# Altium PCB Austindetz_CM4_Board_v1.0.PcbDoc (part 5 of 6) (continued)
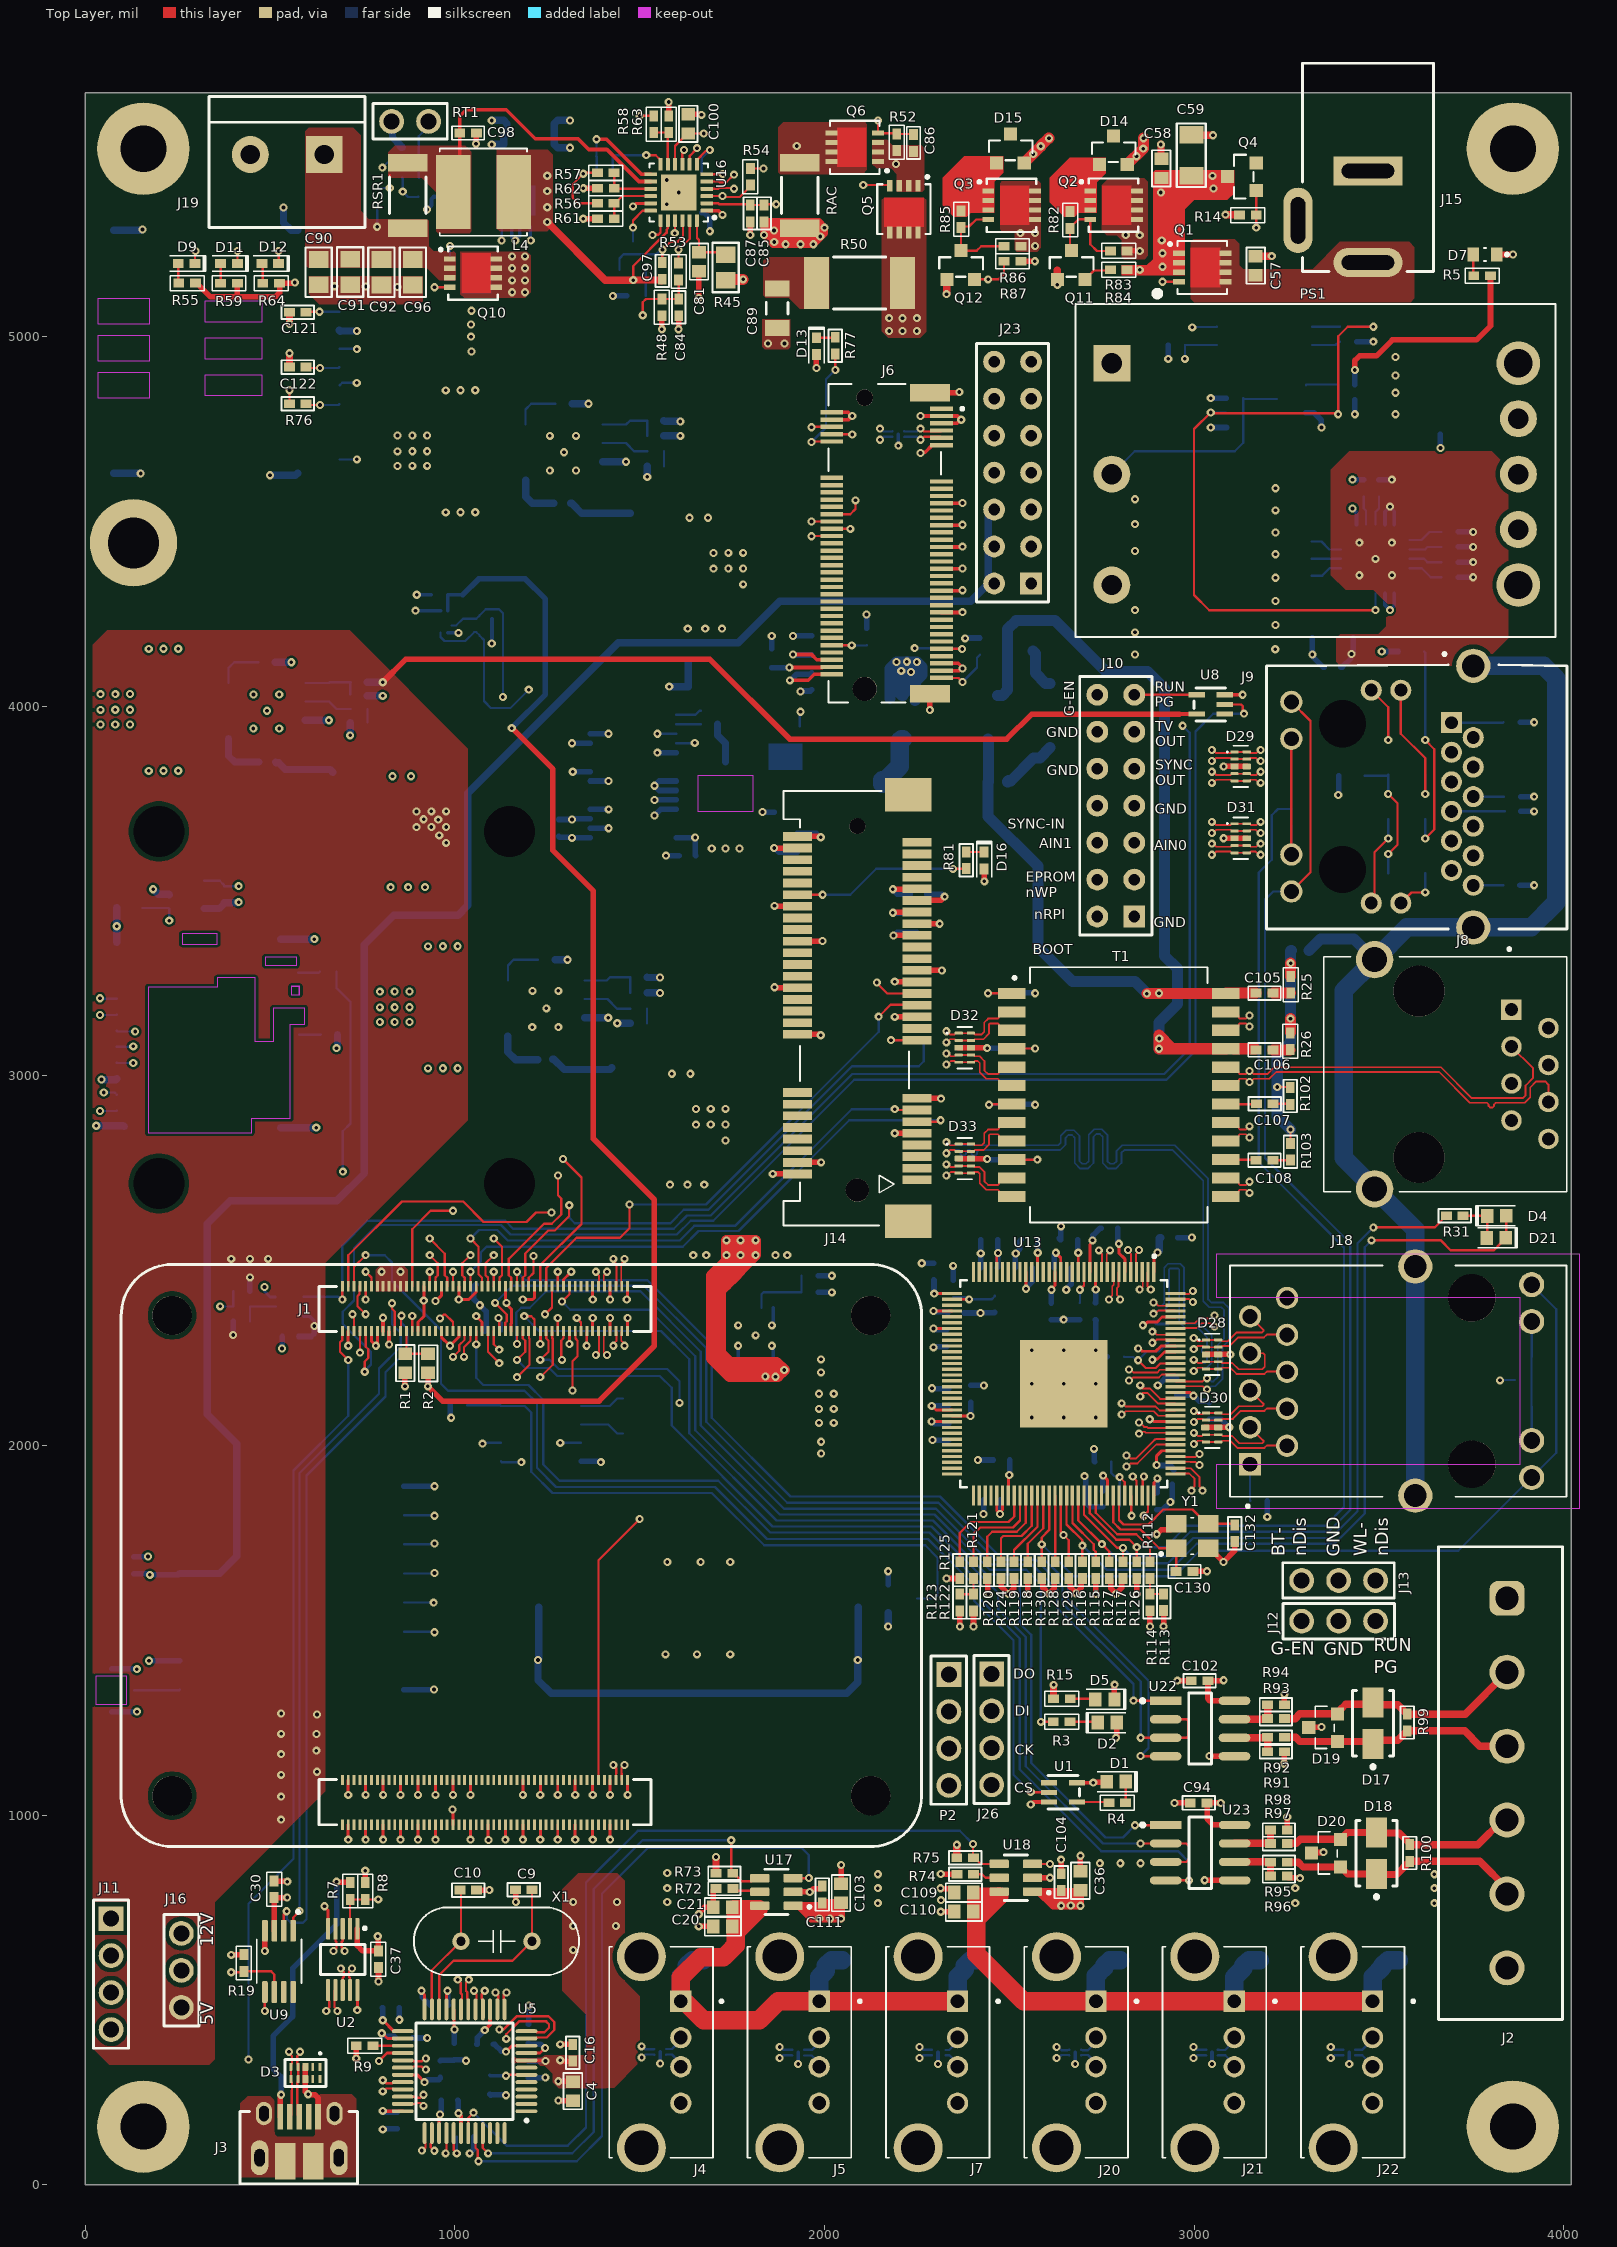
[diagram p0: Top Layer view]
## Nets (pads, with @x,y where several pads share a name; then routed paths per layer and width w, separated by ;. In a path a pad name is that pad's centre, name@x,y a point inside that pad or via, vN(x,y) a via of type N, cw(c..) or ccw(c..) an arc to the next point about the centre after c; other vN are vias at no path point) (continued)
TRD0_3_N: D31.2 D31.9 J9.9 U13.105 | length 2989.8
  Top Layer w4.88: v1(2850.65,2062.18) 2852.74,2062.18 2864.65,2050.27 2871.45,2050.27 2874.25,2047.46 2947.88,2047.46 U13.105@2949.31,2048.9 ; v1(3047.91,3657.36) 3050.77,3657.36 3059.33,3665.92 3085.77,3665.92 3098.96,3665.92 3102.36,3662.51 D31.2@3109.55,3662.51 D31.9@3142.42,3662.51 3149.61,3662.51 3153.01,3665.92 3166.72,3665.92 3175.28,3657.36 v1(3179.91,3657.36)
  03_SIg1 w4.44: v1(3179.91,3657.36) 3182.51,3657.36 3191.29,3666.14 3225.68,3666.14 3254.53,3694.98 3627.32,3694.98 3657.73,3664.57 3678.91,3664.57 3696.11,3647.37 J9.9@3696.11,3635.77
  04_SIg2 w4.44: v1(2850.65,2062.18) 2853.25,2062.18 2864.26,2051.16 2870.86,2051.16 2877.31,2044.71 2894.89,2044.71 2951.16,2100.97 2951.16,2804.98 2951.16,2833.77 2943.83,2841.1 2915.2,2841.1 2900.58,2855.72 2900.58,2875.8 2915.2,2890.42 2951.16,2890.42 2958.49,2897.75 2958.49,2907.53 2951.16,2914.86 2912.02,2914.86 2897.41,2929.48 2897.41,2949.56 2912.02,2964.18 2943.83,2964.18 2951.16,2971.51 2951.16,3014.26 2951.16,3719.82 2970.76,3739.42 3080.06,3739.42 3092.35,3727.14 3092.35,3676.03 3082.46,3666.14 3059.29,3666.14 3050.51,3657.36 v1(3047.91,3657.36)
TRD0_3_P: D31.1 D31.10 J9.8 U13.104 | length 2991.6
  Top Layer w4.88: v1(2850.65,2032.18) 2855.28,2032.18 2860.49,2037.39 2866.11,2037.39 2868.92,2034.58 2947.88,2034.58 U13.104@2949.31,2033.15 ; v1(3047.91,3687.36) 3050.77,3687.36 3059.33,3678.8 3091.11,3678.8 3098.96,3678.8 3102.36,3682.2 D31.1@3109.55,3682.2 D31.10@3142.42,3682.2 3149.61,3682.2 3153.01,3678.8 3168.49,3678.8 3177.05,3687.36 v1(3179.91,3687.36)
  03_SIg1 w4.44: v1(3179.91,3687.36) 3182.51,3687.36 3191.29,3678.58 3220.53,3678.58 3249.37,3707.42 3632.47,3707.42 3662.89,3677.01 3709.59,3677.01 3719.15,3667.45 3747.08,3667.45 J9.8@3755.17,3675.54
  04_SIg2 w4.44: v1(2850.65,2032.18) 2855.4,2032.18 2861.95,2038.72 2865.71,2038.72 2872.16,2032.27 2900.05,2032.27 2963.6,2095.82 2963.6,2804.98 2963.6,2838.92 2948.98,2853.54 2920.36,2853.54 2913.02,2860.87 2913.02,2870.65 2920.36,2877.98 2956.31,2877.98 2970.93,2892.6 2970.93,2912.68 2956.31,2927.3 2917.18,2927.3 2909.85,2934.63 2909.85,2944.41 2917.18,2951.74 2948.98,2951.74 2963.6,2966.36 2963.6,3014.26 2963.6,3714.67 2975.91,3726.98 3074.91,3726.98 3079.91,3721.98 3079.91,3681.18 3077.31,3678.58 3059.29,3678.58 3050.51,3687.36 v1(3047.91,3687.36)
TRD1_0_N: D32.2 D32.9 T1.3 U13.108 | length 2016.2
  Top Layer w4.88: v1(2329.6,3090.73) 2331.03,3090.73 2339.6,3099.29 2342.24,3099.29 2352.57,3099.29 2355.97,3095.89 D32.2@2363.16,3095.89 D32.9@2396.03,3095.89 2403.22,3095.89 2406.62,3099.29 2419.81,3099.29 2430.24,3099.29 2444.91,3113.96 2444.91,3139.15 2447.77,3142.01 2469.18,3142.01 2472.04,3139.15 2472.04,3135.97 2484.56,3123.45 T1.3@2507,3123.45 ; v1(2803.91,2113.98) 2806.77,2113.98 2815.33,2105.42 2895.76,2105.42 2906.48,2094.71 2947.88,2094.71 U13.108@2949.31,2096.14
  03_SIg1 w4.44: v1(2329.6,3090.73) 2326.99,3090.73 2318.21,3099.51 2312.05,3099.51 2307.55,3099.51 2303.22,3095.18 2303.22,3088.93 2298.89,3084.59 2293.11,3084.59 2288.78,3088.93 2288.78,3095.18 2284.45,3099.51 2278.67,3099.51 2274.34,3095.18 2274.34,3088.93 2270.01,3084.59 2264.23,3084.59 2259.9,3088.93 2259.9,3095.18 2255.57,3099.51 2238.91,3099.51 2235.03,3099.51 2223.71,3088.19 2223.71,2478.78 2254.91,2447.58 2254.91,2264.98 2302.62,2217.27 2595.22,2217.27 2614.03,2198.45 2614.03,2150.86 2637.59,2127.3 2752.59,2127.3 2774.69,2105.2 2792.53,2105.2 2801.31,2113.98 v1(2803.91,2113.98)
TRD1_0_P: D32.1 D32.10 T1.2 U13.107 | length 2018
  Top Layer w4.88: v1(2329.6,3120.73) 2331.03,3120.73 2339.6,3112.17 2347.57,3112.17 2352.57,3112.17 2355.97,3115.57 D32.1@2363.16,3115.57 D32.10@2396.03,3115.57 2403.22,3115.57 2406.62,3112.17 2414.47,3112.17 2424.91,3112.17 2432.03,3119.29 2432.03,3144.49 2442.43,3154.89 2469.18,3154.89 2472.04,3157.75 2472.04,3160.93 2484.56,3173.45 T1.2@2507,3173.45 ; v1(2803.91,2083.98) 2806.77,2083.98 2815.33,2092.54 2890.42,2092.54 2902.57,2080.4 U13.107@2949.31,2080.4
  03_SIg1 w4.44: v1(2329.6,3120.73) 2326.99,3120.73 2318.21,3111.95 2229.88,3111.95 2211.27,3093.34 2211.27,2473.63 2242.47,2442.42 2242.47,2259.83 2297.47,2204.83 2590.06,2204.83 2601.59,2193.3 2601.59,2145.71 2632.44,2114.86 2747.44,2114.86 2769.54,2092.76 2792.53,2092.76 2801.31,2083.98 v1(2803.91,2083.98)
TRD1_1_N: D32.5 D32.6 T1.6 U13.110 | length 2008.4
  Top Layer w4.88: v1(2329.6,3030.73) 2332.73,3030.73 2342.24,3040.24 2352.57,3040.24 2355.97,3036.83 D32.5@2363.16,3036.83 D32.6@2396.03,3036.83 2403.22,3036.83 2406.62,3040.24 2414.47,3040.24 2419.81,3034.9 2419.81,3009.3 2437.1,2992.01 2469.18,2992.01 2472.04,2989.15 2472.04,2985.97 2484.56,2973.45 T1.6@2507,2973.45 ; v1(2854.31,2162.83) 2854.31,2160.74 2860.42,2154.64 2879.44,2154.64 2907.88,2126.2 2947.88,2126.2 U13.110@2949.31,2127.64
  03_SIg1 w4.44: v1(2329.6,3030.73) 2326.99,3030.73 2318.21,3039.51 2276.03,3039.51 2269.91,3033.39 2269.91,3027.58 2269.91,3020.63 2274.24,3016.3 2280.78,3016.3 2285.11,3011.96 2285.11,3006.19 2280.78,3001.86 2274.24,3001.86 2269.91,2997.52 2269.91,2991.75 2274.24,2987.42 2281.11,2987.42 2285.44,2983.08 2285.44,2977.31 2281.11,2972.98 2274.24,2972.98 2269.91,2968.64 2269.91,2951.98 2269.91,2727.98 2322.35,2675.54 2322.35,2652.52 2322.35,2604.62 2307.73,2590 2278.44,2590 2271.11,2582.67 2271.11,2572.89 2278.44,2565.56 2307.73,2565.56 2322.35,2550.94 2322.35,2519.28 2322.35,2447.7 2354.91,2415.14 2354.91,2326.98 2366.07,2315.82 2369.47,2312.42 2413.97,2312.42 2428.59,2297.8 2428.59,2273.83 2435.92,2266.5 2445.7,2266.5 2453.03,2273.83 2453.03,2304.47 2467.65,2319.09 2487.73,2319.09 2502.35,2304.47 2502.35,2273.83 2509.68,2266.5 2519.46,2266.5 2526.79,2273.83 2526.79,2297.8 2541.41,2312.42 2554.85,2312.42 2590.06,2312.42 2614.03,2288.45 2614.03,2250.86 2647.62,2217.27 2731.01,2217.27 2794.23,2154.05 2842.93,2154.05 2851.71,2162.83 v1(2854.31,2162.83)
TRD1_1_P: D32.4 D32.7 T1.5 U13.109 | length 2008.4
  Top Layer w4.88: v1(2329.6,3060.73) 2334.23,3060.73 2341.84,3053.12 2352.57,3053.12 2355.97,3056.52 D32.4@2363.16,3056.52 D32.7@2396.03,3056.52 2403.22,3056.52 2406.62,3053.12 2419.81,3053.12 2432.69,3040.24 2432.69,3014.63 2442.43,3004.89 2469.18,3004.89 2472.04,3007.75 2472.04,3010.93 2484.56,3023.45 T1.5@2507,3023.45 ; v1(2854.31,2132.83) 2854.31,2135.65 2860.42,2141.76 2874.11,2141.76 2902.54,2113.32 2947.88,2113.32 U13.109@2949.31,2111.89
  03_SIg1 w4.44: v1(2329.6,3060.73) 2326.99,3060.73 2318.21,3051.95 2270.88,3051.95 2257.47,3038.54 2257.47,2722.83 2309.91,2670.39 2309.91,2652.52 2309.91,2609.77 2302.58,2602.44 2273.29,2602.44 2258.67,2587.82 2258.67,2567.74 2273.29,2553.12 2302.58,2553.12 2309.91,2545.79 2309.91,2519.28 2309.91,2442.54 2342.47,2409.98 2342.47,2321.83 2364.32,2299.98 2366.07,2299.98 2408.82,2299.98 2416.15,2292.65 2416.15,2268.68 2430.77,2254.06 2450.85,2254.06 2465.47,2268.68 2465.47,2299.32 2472.8,2306.65 2482.58,2306.65 2489.91,2299.32 2489.91,2268.68 2504.53,2254.06 2524.61,2254.06 2539.23,2268.68 2539.23,2292.65 2546.56,2299.98 2554.85,2299.98 2584.91,2299.98 2601.59,2283.3 2601.59,2245.71 2642.47,2204.83 2725.86,2204.83 2789.08,2141.61 2842.93,2141.61 2851.71,2132.83 v1(2854.31,2132.83)
TRD1_2_N: D33.2 D33.9 T1.9 U13.113 | length 2008.9
  Top Layer w4.88: v1(2329.6,2790.73) 2331.03,2790.73 2339.6,2799.29 2342.24,2799.29 2352.57,2799.29 2355.97,2795.89 D33.2@2363.16,2795.89 D33.9@2396.03,2795.89 2403.22,2795.89 2406.62,2799.29 2419.81,2799.29 2430.24,2799.29 2444.91,2813.96 2444.91,2839.15 2447.77,2842.01 2469.18,2842.01 2472.04,2839.15 2472.04,2835.97 2484.56,2823.45 T1.9@2507,2823.45 ; U13.113@2949.31,2174.88 2950.74,2173.45 3023.49,2173.45 3032.05,2182 v1(3034.91,2182)
  Bottom Layer w4.88: v1(2329.6,2790.73) 2332.45,2790.73 2341.01,2799.29 2346.48,2799.29 2363.8,2799.29 2368.26,2794.83 2368.26,2788.78 2372.72,2784.31 2378.68,2784.31 2383.14,2788.78 2383.14,2794.83 2387.6,2799.29 2393.56,2799.29 2398.02,2794.83 2398.02,2788.78 2402.48,2784.31 2408.44,2784.31 2412.9,2788.78 2412.9,2794.83 2417.36,2799.29 2423.19,2799.29 2624.66,2799.29 2637.18,2799.29 2652.19,2814.3 2652.19,2832.67 2659.66,2840.13 2669.61,2840.13 2677.07,2832.67 2677.07,2764.3 2692.08,2749.29 2712.7,2749.29 2727.71,2764.3 2727.71,2835.29 2735.18,2842.75 2745.13,2842.75 2752.59,2835.29 2752.59,2764.3 2767.6,2749.29 2788.22,2749.29 2803.23,2764.3 2803.23,2791.83 2810.7,2799.29 2816.91,2799.29 2942.39,2799.29 3024.91,2716.77 3024.91,2389.98 3040.83,2374.06 3073.83,2374.06 3080.8,2367.09 3080.8,2289.09 3063.68,2271.96 3063.68,2184.86 3052.26,2173.44 3046.33,2173.44 3037.77,2182 v1(3034.91,2182)
TRD1_2_P: D33.1 D33.10 T1.8 U13.112 | length 2012.5
  Top Layer w4.88: v1(2329.6,2820.73) 2331.03,2820.73 2339.6,2812.17 2347.57,2812.17 2352.57,2812.17 2355.97,2815.57 D33.1@2363.16,2815.57 D33.10@2396.03,2815.57 2403.22,2815.57 2406.62,2812.17 2414.47,2812.17 2424.91,2812.17 2432.03,2819.29 2432.03,2844.49 2442.43,2854.89 2469.18,2854.89 2472.04,2857.75 2472.04,2860.93 2484.56,2873.45 T1.8@2507,2873.45 ; U13.112@2949.31,2159.14 2950.74,2160.57 3023.49,2160.57 3032.05,2152 v1(3034.91,2152)
  Bottom Layer w4.88: v1(2329.6,2820.73) 2332.45,2820.73 2341.01,2812.17 2624.66,2812.17 2631.85,2812.17 2639.31,2819.64 2639.31,2838.01 2654.32,2853.01 2674.94,2853.01 2689.95,2838.01 2689.95,2769.64 2697.42,2762.17 2707.37,2762.17 2714.83,2769.64 2714.83,2840.62 2729.84,2855.63 2750.46,2855.63 2765.47,2840.62 2765.47,2769.64 2772.94,2762.17 2782.89,2762.17 2790.35,2769.64 2790.35,2797.16 2805.36,2812.17 2816.91,2812.17 2947.72,2812.17 3037.79,2722.1 3037.79,2395.32 3046.16,2386.94 3079.16,2386.94 3093.68,2372.43 3093.68,2283.76 3076.56,2266.63 3076.56,2179.53 3057.59,2160.56 3046.33,2160.56 3037.77,2152 v1(3034.91,2152)
TRD1_3_N: D33.4 D33.7 T1.11 U13.115 | length 2006.8
  Top Layer w4.88: v1(2329.6,2760.73) 2334.23,2760.73 2341.84,2753.12 2352.57,2753.12 2355.97,2756.52 D33.4@2363.16,2756.52 D33.7@2396.03,2756.52 2403.22,2756.52 2406.62,2753.12 2419.81,2753.12 2432.69,2740.24 2432.69,2714.63 2442.43,2704.89 2469.18,2704.89 2472.04,2707.75 2472.04,2710.93 2484.56,2723.45 T1.11@2507,2723.45 ; v1(2823.8,2205.71) 2828.44,2205.71 2837,2197.15 2899.68,2197.15 2907.47,2204.94 2947.88,2204.94 U13.115@2949.31,2206.38
  03_SIg1 w4.44: v1(2329.6,2760.73) 2332.2,2760.73 2340.98,2751.95 2372.47,2751.95 2389.91,2734.51 2389.91,2702.34 2389.91,2695.52 2397.24,2688.18 2560.47,2688.18 2575.09,2673.56 2575.09,2653.48 2560.47,2638.86 2381.86,2638.86 2374.52,2631.53 2374.52,2621.76 2381.86,2614.42 2560.47,2614.42 2575.09,2599.8 2575.09,2579.72 2560.47,2565.1 2397.24,2565.1 2389.91,2557.77 2389.91,2515.03 2389.91,2479.98 2483.67,2386.22 2681.27,2386.22 2779.91,2287.58 2779.91,2209.98 2792.96,2196.93 2812.42,2196.93 2821.2,2205.71 v1(2823.8,2205.71)
TRD1_3_P: D33.5 D33.6 T1.12 U13.114 | length 2007.5
  Top Layer w4.88: v1(2329.6,2730.73) 2332.73,2730.73 2342.24,2740.24 2352.57,2740.24 2355.97,2736.83 D33.5@2363.16,2736.83 D33.6@2396.03,2736.83 2403.22,2736.83 2406.62,2740.24 2414.47,2740.24 2419.81,2734.9 2419.81,2709.3 2437.1,2692.01 2469.18,2692.01 2472.04,2689.15 2472.04,2685.97 2484.56,2673.45 T1.12@2507,2673.45 ; v1(2823.8,2175.71) 2826.66,2175.71 2835.22,2184.27 2905.01,2184.27 2912.8,2192.06 2947.88,2192.06 U13.114@2949.31,2190.63
  03_SIg1 w4.44: v1(2329.6,2730.73) 2332.2,2730.73 2340.98,2739.51 2367.32,2739.51 2377.47,2729.36 2377.47,2702.34 2377.47,2690.36 2392.09,2675.74 2555.32,2675.74 2562.65,2668.41 2562.65,2658.64 2555.32,2651.3 2376.7,2651.3 2362.08,2636.68 2362.08,2616.6 2376.7,2601.98 2555.32,2601.98 2562.65,2594.65 2562.65,2584.88 2555.32,2577.54 2392.09,2577.54 2377.47,2562.92 2377.47,2515.03 2377.47,2474.83 2478.52,2373.78 2676.11,2373.78 2767.47,2282.42 2767.47,2204.83 2787.81,2184.49 2812.42,2184.49 2821.2,2175.71 v1(2823.8,2175.71)
TRD2_0_N: D28.2 D28.9 J18.9 U13.128 | length 952.6
  Top Layer w4.88: U13.128@2949.31,2411.1 2950.74,2409.67 2984.91,2409.67 2993.48,2418.24 v1(2996.58,2418.24) ; v1(2998.91,2260.84) 3001.35,2260.84 3009.91,2269.4 3011.33,2269.4 3021.66,2269.4 3025.06,2266 D28.2@3032.25,2266 D28.9@3065.12,2266 3072.3,2266 3075.71,2269.4 3095.99,2269.4 3119.08,2292.49 3189,2292.49 3196.64,2300.13 3250.69,2300.13 J18.9@3251.43,2299.38
  03_SIg1 w4.44: v1(2996.58,2418.24) 2999.2,2418.24 3007.96,2409.47 3017.4,2409.47 3023.47,2415.54 3023.47,2504.54 3033.36,2514.42 3148.46,2514.42 3158.35,2504.54 3158.35,2457.87 3148.46,2447.98 3124.91,2447.98 3116.91,2439.98 3116.91,2391.39 3101.5,2375.98 3046.91,2375.98 3032.35,2361.42 3032.35,2279.51 3022.46,2269.62 3010.29,2269.62 3001.51,2260.84 v1(2998.91,2260.84)
TRD2_0_P: D28.1 D28.10 J18.5 U13.127 | length 952.6
  Top Layer w4.88: U13.127@2949.31,2395.36 2950.74,2396.79 2984.91,2396.79 2993.46,2388.24 v1(2996.65,2388.24) ; v1(2998.91,2290.84) 3001.35,2290.84 3009.91,2282.28 3016.66,2282.28 3021.66,2282.28 3025.06,2285.68 D28.1@3032.25,2285.68 D28.10@3065.12,2285.68 3072.3,2285.68 3075.71,2282.28 3090.66,2282.28 3113.74,2305.37 3183.66,2305.37 3187.54,2309.24 3187.54,2313.28 J18.5@3151.43,2349.38
  03_SIg1 w4.44: v1(2996.65,2388.24) 2999.24,2388.24 3008.03,2397.03 3022.55,2397.03 3035.91,2410.39 3035.91,2499.38 3038.51,2501.98 3143.31,2501.98 3145.91,2499.38 3145.91,2463.02 3143.31,2460.42 3119.76,2460.42 3104.47,2445.14 3104.47,2396.54 3096.35,2388.42 3041.76,2388.42 3019.91,2366.58 3019.91,2355.98 3019.91,2339.32 3015.58,2334.99 2993.22,2334.99 2988.89,2330.66 2988.89,2324.88 2993.22,2320.55 3015.58,2320.55 3019.91,2316.22 3019.91,2313.04 3019.91,2284.66 3017.31,2282.06 3010.29,2282.06 3001.51,2290.84 v1(2998.91,2290.84)
TRD2_1_N: D28.5 D28.6 J18.8 U13.126 | length 886.4
  Top Layer w4.88: v1(2889.91,2386.73) 2894.54,2386.73 2903.1,2378.17 2947.88,2378.17 U13.126@2949.31,2379.61 ; v1(2998.91,2201.78) 3001.35,2201.78 3009.91,2210.34 3011.33,2210.34 3021.66,2210.34 3025.06,2206.94 D28.5@3032.25,2206.94 D28.6@3065.12,2206.94 ; D28.6@3072.3,2206.94 3075.71,2210.34 3097.99,2210.34 3114.84,2193.5 3190.01,2193.5 3196.64,2200.13 3250.69,2200.13 J18.8@3251.43,2199.38
  Bottom Layer w4.88: v1(2889.91,2386.73) 2892.77,2386.73 2901.33,2378.17 2912.1,2378.17 2918.91,2384.98 2918.91,2481.46 2929.31,2491.86 2962.39,2491.86 2972.79,2481.46 2972.79,2339.1 2981.91,2329.98 3016.05,2329.98 3047.79,2298.25 3047.79,2223.7 3034.43,2210.34 3010.33,2210.34 3001.77,2201.78 v1(2998.91,2201.78)
TRD2_1_P: D28.4 D28.7 J18.4 U13.125 | length 882.8
  Top Layer w4.88: v1(2889.91,2356.73) 2894.54,2356.73 2903.1,2365.29 2947.88,2365.29 U13.125@2949.31,2363.86 ; v1(2998.91,2231.78) 3001.35,2231.78 3009.91,2223.22 3016.66,2223.22 3021.66,2223.22 3025.06,2226.63 D28.4@3032.25,2226.63 D28.7@3065.12,2226.63 3072.3,2226.63 3075.71,2223.22 3083.56,2223.22 3088.9,2223.22 3103.33,2223.22 3120.17,2206.38 3184.68,2206.38 3190.91,2212.61 3190.91,2245.98 3187.51,2249.38 J18.4@3151.43,2249.38
  Bottom Layer w4.88: v1(2889.91,2356.73) 2892.77,2356.73 2901.33,2365.29 2917.44,2365.29 2931.79,2379.64 2931.79,2476.13 2934.65,2478.98 2957.05,2478.98 2959.91,2476.13 2959.91,2333.77 2976.57,2317.1 3010.72,2317.1 3034.91,2292.91 3034.91,2286.42 3034.91,2269.1 3030.45,2264.63 3024.81,2264.63 3020.35,2260.17 3020.35,2254.22 3024.81,2249.75 3030.45,2249.75 3034.91,2245.29 3034.91,2229.03 3031.16,2225.28 3029.1,2223.22 3010.33,2223.22 3001.77,2231.78 v1(2998.91,2231.78)
TRD2_2_N: D30.2 D30.9 J18.7 U13.123 | length 954.5
  Top Layer w4.88: U13.123@2949.31,2332.36 2950.74,2330.93 3001.85,2330.93 3014.53,2343.61 3043.49,2343.61 3052.05,2352.17 v1(3054.91,2352.17) ; v1(2999.14,2063.42) 3001.58,2063.42 3010.14,2071.98 3011.55,2071.98 3021.89,2071.98 3025.29,2068.58 D30.2@3032.47,2068.58 D30.9@3065.35,2068.58 3072.53,2068.58 3075.93,2071.98 3104.74,2071.98 3126.26,2093.5 3190.01,2093.5 3196.64,2100.13 3250.69,2100.13 J18.7@3251.43,2099.38
  03_SIg1 w4.44: v1(2999.14,2063.42) 3001.74,2063.42 3010.52,2072.2 3095.72,2072.2 3106.35,2082.83 3106.35,2116.7 3093.06,2129.98 3081.91,2129.98 3076.91,2134.98 3076.91,2156.39 3081.5,2160.98 3096.46,2160.98 3106.35,2170.87 3106.35,2202.14 3092.82,2215.66 3043.42,2215.66 3040.82,2218.26 3040.82,2240.24 3067.57,2266.98 3098.46,2266.98 3108.35,2276.87 3108.35,2333.5 3098.46,2343.39 3066.29,2343.39 3057.51,2352.17 v1(3054.91,2352.17)
TRD2_2_P: D30.1 D30.10 J18.3 U13.122 | length 954.5
  Top Layer w4.88: U13.122@2949.31,2316.62 2950.74,2318.05 3007.19,2318.05 3019.87,2330.73 3043.49,2330.73 3052.05,2322.17 v1(3054.91,2322.17) ; v1(2999.14,2093.42) 3001.58,2093.42 3010.14,2084.86 3016.89,2084.86 3021.89,2084.86 3025.29,2088.27 D30.1@3032.47,2088.27 D30.10@3065.35,2088.27 3072.53,2088.27 3075.93,2084.86 3099.41,2084.86 3120.92,2106.38 3184.68,2106.38 3187.54,2109.24 3187.54,2113.28 J18.3@3151.43,2149.38
  03_SIg1 w4.44: v1(2999.14,2093.42) 3001.74,2093.42 3010.52,2084.64 3023.64,2084.64 3025.86,2084.64 3030.19,2088.97 3030.19,2111.33 3034.52,2115.66 3040.3,2115.66 3044.63,2111.33 3044.63,2088.97 3048.96,2084.64 3060.92,2084.64 3090.57,2084.64 3093.91,2087.98 3093.91,2111.54 3087.91,2117.54 3076.76,2117.54 3064.47,2129.83 3064.47,2161.54 3076.35,2173.42 3091.31,2173.42 3093.91,2176.02 3093.91,2196.98 3087.67,2203.22 3038.27,2203.22 3028.38,2213.11 3028.38,2245.39 3062.42,2279.42 3093.31,2279.42 3095.91,2282.02 3095.91,2328.34 3093.31,2330.95 3066.29,2330.95 3057.51,2322.17 v1(3054.91,2322.17)
TRD2_3_N: D30.5 D30.6 J18.6 U13.121 | length 924.1
  Top Layer w4.88: v1(2886.91,2307.99) 2889.77,2307.99 2898.33,2299.43 2947.88,2299.43 U13.121@2949.31,2300.87 ; v1(2999.14,2004.37) 3001.58,2004.37 3010.14,2012.93 3011.55,2012.93 3021.89,2012.93 3025.29,2009.53 D30.5@3032.47,2009.53 D30.6@3065.35,2009.53 3072.53,2009.53 3075.93,2012.93 3097.34,2012.93 3116.76,1993.5 3190.01,1993.5 3196.64,2000.13 3250.69,2000.13 J18.6@3251.43,1999.38
  04_SIg2 w4.44: v1(2886.91,2307.99) 2884.31,2307.99 2875.53,2299.21 2837.77,2299.21 2788.76,2250.2 2788.76,2190.39 2768.47,2170.1 2768.47,2066.75 2842.68,1992.54 2910.73,1992.54 2931.34,2013.15 2987.76,2013.15 2996.54,2004.37 v1(2999.14,2004.37)
  Bottom Layer w4.88: v1@2886.59,2307.99 v1(2886.91,2307.99)
TRD2_3_P: D30.4 D30.7 J18.2 U13.120 | length 924.1
  Top Layer w4.88: v1(2886.91,2277.99) 2889.77,2277.99 2898.33,2286.55 2947.88,2286.55 U13.120@2949.31,2285.12 ; v1(2999.14,2034.37) 3001.58,2034.37 3010.14,2025.81 3016.89,2025.81 3021.89,2025.81 3025.29,2029.21 D30.4@3032.47,2029.21 D30.7@3065.35,2029.21 3072.53,2029.21 3075.93,2025.81 3102.67,2025.81 3122.1,2006.38 3184.68,2006.38 3187.54,2009.24 3187.54,2013.28 J18.2@3151.43,2049.38
  04_SIg2 w4.44: v1(2886.91,2277.99) 2884.31,2277.99 2875.53,2286.77 2842.92,2286.77 2801.2,2245.05 2801.2,2185.24 2780.91,2164.95 2780.91,2071.91 2847.83,2004.98 2905.58,2004.98 2926.18,2025.59 2941.91,2025.59 2946.45,2025.59 2950.78,2029.92 2950.78,2048.16 2955.11,2052.49 2960.89,2052.49 2965.22,2048.16 2965.22,2029.92 2969.55,2025.59 2986.21,2025.59 2987.76,2025.59 2996.54,2034.37 v1(2999.14,2034.37)
  Bottom Layer w4.88: v1(2886.91,2277.99) v1@2886.91,2286.55
TRD3_0_N: J1.10 U13.3 | length 1842.6
  Top Layer w4.88: J1.10@1404.32,2309.51 1402.89,2308.08 1402.89,2249.98 1407.89,2244.98 v1(1411.45,2244.98) ; v1(2852.57,2421.92) 2853.04,2421.92 2861.1,2429.98 2861.1,2467.82 U13.3@2859.66,2469.26
  04_SIg2 w4.44: v1(1411.45,2244.98) 1411.45,2242.38 1402.67,2233.6 1402.67,2207.23 1409.21,2200.68 1417.95,2200.68 1429.15,2200.68 1433.48,2205.01 1433.48,2222.06 1437.81,2226.39 1443.59,2226.39 1447.92,2222.06 1447.92,2205.01 1452.25,2200.68 1468.91,2200.68 1594.21,2200.68 1639.91,2154.98 1907.35,2154.98 1929.17,2176.8 2076.73,2176.8 2098.55,2198.63 2368.55,2198.63 2397.35,2227.42 2740.16,2227.42 2756.14,2243.41 2756.14,2267.91 2855.07,2366.84 2855.07,2399.49 2861.35,2405.77 2861.35,2410.54 2852.57,2419.32 v1(2852.57,2421.92)
TRD3_0_P: J1.12 U13.2 | length 1842.6
  Top Layer w4.88: v1(1381.45,2244.98) 1385.01,2244.98 1390.01,2249.98 1390.01,2308.08 J1.12@1388.57,2309.51 ; U13.2@2875.41,2469.26 2873.98,2467.82 2873.98,2429.98 2882.06,2421.91 v1(2882.57,2421.91)
  04_SIg2 w4.44: v1(1381.45,2244.98) 1381.45,2242.38 1390.23,2233.6 1390.23,2202.07 1404.06,2188.24 1589.06,2188.24 1634.76,2142.54 1912.5,2142.54 1934.32,2164.36 2081.88,2164.36 2103.71,2186.19 2373.71,2186.19 2402.5,2214.98 2745.31,2214.98 2768.58,2238.26 2768.58,2262.76 2867.51,2361.69 2867.51,2394.34 2873.79,2400.62 2873.79,2410.53 2882.57,2419.31 v1(2882.57,2421.91)
TRD3_1_N: J1.6 U13.5 | length 1866.4
  Top Layer w4.88: v1(1428.69,2269.98) 1428.69,2274.62 1437.25,2283.18 1437.25,2285.94 1437.25,2308.08 J1.6@1435.82,2309.51 ; v1(2821.04,2528.98) 2821.04,2526.13 2829.6,2517.57 2829.6,2470.69 U13.5@2828.16,2469.26
  04_SIg2 w4.44: v1(1428.69,2269.98) 1428.69,2272.58 1437.47,2281.36 1437.47,2300.14 1449.76,2312.42 1577.06,2312.42 1649.5,2239.98 1916.6,2239.98 1919.2,2242.58 1919.2,2288.54 1929.09,2298.42 2024.47,2298.42 2036.06,2286.83 2087.91,2234.98 2347.32,2234.98 2420.32,2307.99 2750.99,2307.99 2822.47,2379.47 2822.47,2404.42 2818.91,2407.98 2818.91,2460.14 2829.82,2471.05 2829.82,2517.6 2821.04,2526.38 v1(2821.04,2528.98)
  Bottom Layer w4.88: v1(2821.04,2528.98) v1@2829.6,2528.98
TRD3_1_P: J1.4 U13.4 | length 1858.1
  Top Layer w4.88: J1.4@1451.56,2309.51 1450.13,2308.08 1450.13,2291.27 1450.13,2283.18 1458.69,2274.62 v1(1458.69,2269.98) ; U13.4@2843.91,2469.26 2842.48,2470.69 2842.48,2517.57 2851.04,2526.13 v1(2851.04,2528.98)
  04_SIg2 w4.44: v1(1458.69,2269.98) 1458.69,2272.58 1449.91,2281.36 1449.91,2294.98 1454.91,2299.98 1571.91,2299.98 1644.35,2227.54 1921.75,2227.54 1931.64,2237.43 1931.64,2283.38 1934.24,2285.98 2019.32,2285.98 2082.76,2222.54 2352.47,2222.54 2425.48,2295.55 2756.14,2295.55 2834.91,2374.32 2834.91,2409.57 2831.35,2413.13 2831.35,2454.99 2842.26,2465.9 2842.26,2517.6 2851.04,2526.38 v1(2851.04,2528.98)
  Bottom Layer w4.88: v1(2851.04,2528.98) v1@2851.04,2529.3
TRD3_2_N: J1.9 U13.8 | length 1841.9
  Top Layer w4.88: J1.9@1404.32,2430.77 1402.89,2432.21 1402.89,2460.84 1411.45,2469.4 v1(1411.45,2469.98) ; v1(2769.91,2395.26) 2769.91,2398.01 2778.59,2406.68 2778.59,2431.41 2782.36,2435.19 2782.36,2467.82 U13.8@2780.92,2469.26
  04_SIg2 w4.44: v1(1411.45,2469.98) 1411.45,2467.38 1402.67,2458.6 1402.67,2447.58 1405.27,2444.98 1420.17,2444.98 1433.15,2444.98 1437.48,2449.32 1437.48,2466.29 1441.81,2470.62 1447.59,2470.62 1451.92,2466.29 1451.92,2449.32 1456.25,2444.98 1472.91,2444.98 1516.36,2444.98 1523.18,2444.98 1530.51,2452.32 1530.51,2471.01 1545.13,2485.63 1565.21,2485.63 1579.83,2471.01 1579.83,2402.32 1587.17,2394.98 1596.94,2394.98 1604.27,2402.32 1604.27,2430.36 1618.89,2444.98 1629.91,2444.98 1894.91,2444.98 1992.35,2542.42 2361.06,2542.42 2529.13,2374.35 2774.12,2374.35 2778.69,2378.92 2778.69,2383.88 2769.91,2392.66 v1(2769.91,2395.26)
TRD3_2_P: J1.11 U13.7 | length 1841.9
  Top Layer w4.88: v1(1381.45,2469.98) 1381.45,2469.4 1390.01,2460.84 1390.01,2432.21 J1.11@1388.57,2430.77 ; U13.7@2796.67,2469.26 2795.24,2467.82 2795.24,2429.85 2791.47,2426.08 2791.47,2406.4 2799.91,2397.96 v1(2799.91,2394.98)
  04_SIg2 w4.44: v1(1381.45,2469.98) 1381.45,2467.38 1390.23,2458.6 1390.23,2442.43 1400.11,2432.54 1516.36,2432.54 1528.33,2432.54 1542.95,2447.16 1542.95,2465.86 1550.29,2473.19 1560.06,2473.19 1567.39,2465.86 1567.39,2397.16 1582.01,2382.54 1602.09,2382.54 1616.71,2397.16 1616.71,2425.21 1624.05,2432.54 1629.91,2432.54 1900.06,2432.54 1997.5,2529.98 2355.91,2529.98 2523.98,2361.91 2779.28,2361.91 2791.13,2373.76 2791.13,2383.6 2799.91,2392.38 v1(2799.91,2394.98)
TRD3_3_N: J1.3 U13.10 | length 1841
  Top Layer w4.88: J1.3@1451.56,2430.77 1450.13,2432.21 1450.13,2491.79 1458.69,2500.35 v1(1458.69,2504.98) ; v1(2742.3,2527.98) 2742.3,2526.13 2750.86,2517.57 2750.86,2470.69 U13.10@2749.42,2469.26
  04_SIg2 w4.44: v1(1458.69,2504.98) 1458.69,2507.58 1449.91,2516.36 1449.91,2517.74 1449.91,2534.4 1454.24,2538.74 1471.26,2538.74 1475.6,2543.07 1475.6,2548.84 1471.26,2553.18 1454.24,2553.18 1449.91,2557.51 1449.91,2572 1449.91,2590.39 1459.5,2599.98 1508.49,2599.98 1551.23,2599.98 1558.57,2592.65 1558.57,2561.57 1573.18,2546.95 1593.27,2546.95 1607.89,2561.57 1607.89,2604.47 1615.22,2611.81 1624.99,2611.81 1632.33,2604.47 1632.33,2561.57 1646.94,2546.95 1667.03,2546.95 1681.65,2561.57 1681.65,2592.65 1688.98,2599.98 1706.91,2599.98 2542.5,2599.98 2562.5,2619.98 2710.35,2619.98 2751.08,2579.25 2751.08,2539.36 2742.3,2530.58 v1(2742.3,2527.98)
TRD3_3_P: J1.5 U13.9 | length 1841
  Top Layer w4.88: v1(1428.69,2504.98) 1428.69,2500.35 1437.25,2491.79 1437.25,2432.21 J1.5@1435.82,2430.77 ; U13.9@2765.17,2469.26 2763.74,2470.69 2763.74,2517.57 2772.3,2526.13 v1(2772.3,2527.98)
  04_SIg2 w4.44: v1(1428.69,2504.98) 1428.69,2507.58 1437.47,2516.36 1437.47,2595.54 1454.35,2612.42 1508.49,2612.42 1556.39,2612.42 1571.01,2597.8 1571.01,2566.73 1578.34,2559.39 1588.11,2559.39 1595.45,2566.73 1595.45,2609.63 1610.06,2624.25 1630.15,2624.25 1644.77,2609.63 1644.77,2566.73 1652.1,2559.39 1661.87,2559.39 1669.21,2566.73 1669.21,2597.8 1683.82,2612.42 1706.91,2612.42 2537.35,2612.42 2557.35,2632.42 2715.5,2632.42 2763.52,2584.41 2763.52,2539.36 2772.3,2530.58 v1(2772.3,2527.98)
TS: C88.2 R47.1 U16.6 | length 1178.8
  Top Layer w6.16: U16.6@1681.85,5439.32 1724.14,5439.32 v1(1724.8,5439.98)
  03_SIg1 w6.16: v2(858.85,5392.17) 878.85,5372.17 1353.85,5372.17 1373.85,5392.17 1373.85,5427.17 1477.66,5530.99 1705.04,5530.99 1733.85,5502.17 1733.85,5450.85 1724.8,5441.8 v1(1724.8,5439.98)
  Bottom Layer w6.16: R47.1@857.08,5430.82 858.85,5429.05 v2(858.85,5392.17) 872.97,5378.05 C88.2@900.22,5378.05 ; C88.2@899.64,5377.47 C88.2@900.22,5378.05 ; C88.2@900.74,5378.57 C88.2@900.22,5378.05
TV-OUT: J1.111 J10.11 | length 3864.8
  Top Layer w6.16: J1.111@1388.57,1095.34 1388.57,1689.65 v1(1499.91,1800.98)
  03_SIg1 w5.61: v1(1499.91,1800.98) 1499.91,2174.98 1548.27,2223.35 1548.27,2458.71 1850.74,2761.18 1850.74,3010.37 2022.63,3182.27 2344.2,3182.27 2535.77,3373.83 2866.27,3373.83 2894.42,3401.98 2894.42,3874.73 J10.11@2838.04,3931.11
ULS-12_CTRL: PS1.2 Q9.3 R38.2 R40.2 R71.1 | length 603.3
  Bottom Layer w6.16: PS1.2@2777.25,4628.03 2839.21,4689.98 3109.91,4689.98 3132.85,4712.93 R71.1@3132.85,4754.18 3132.77,4754.26 R40.2@3132.77,4793.1 R38.2@3132.77,4833.67 3135,4831.44 Q9.3@3223.66,4831.44